# KiCad board uq_phone.kicad_pcb (continued)
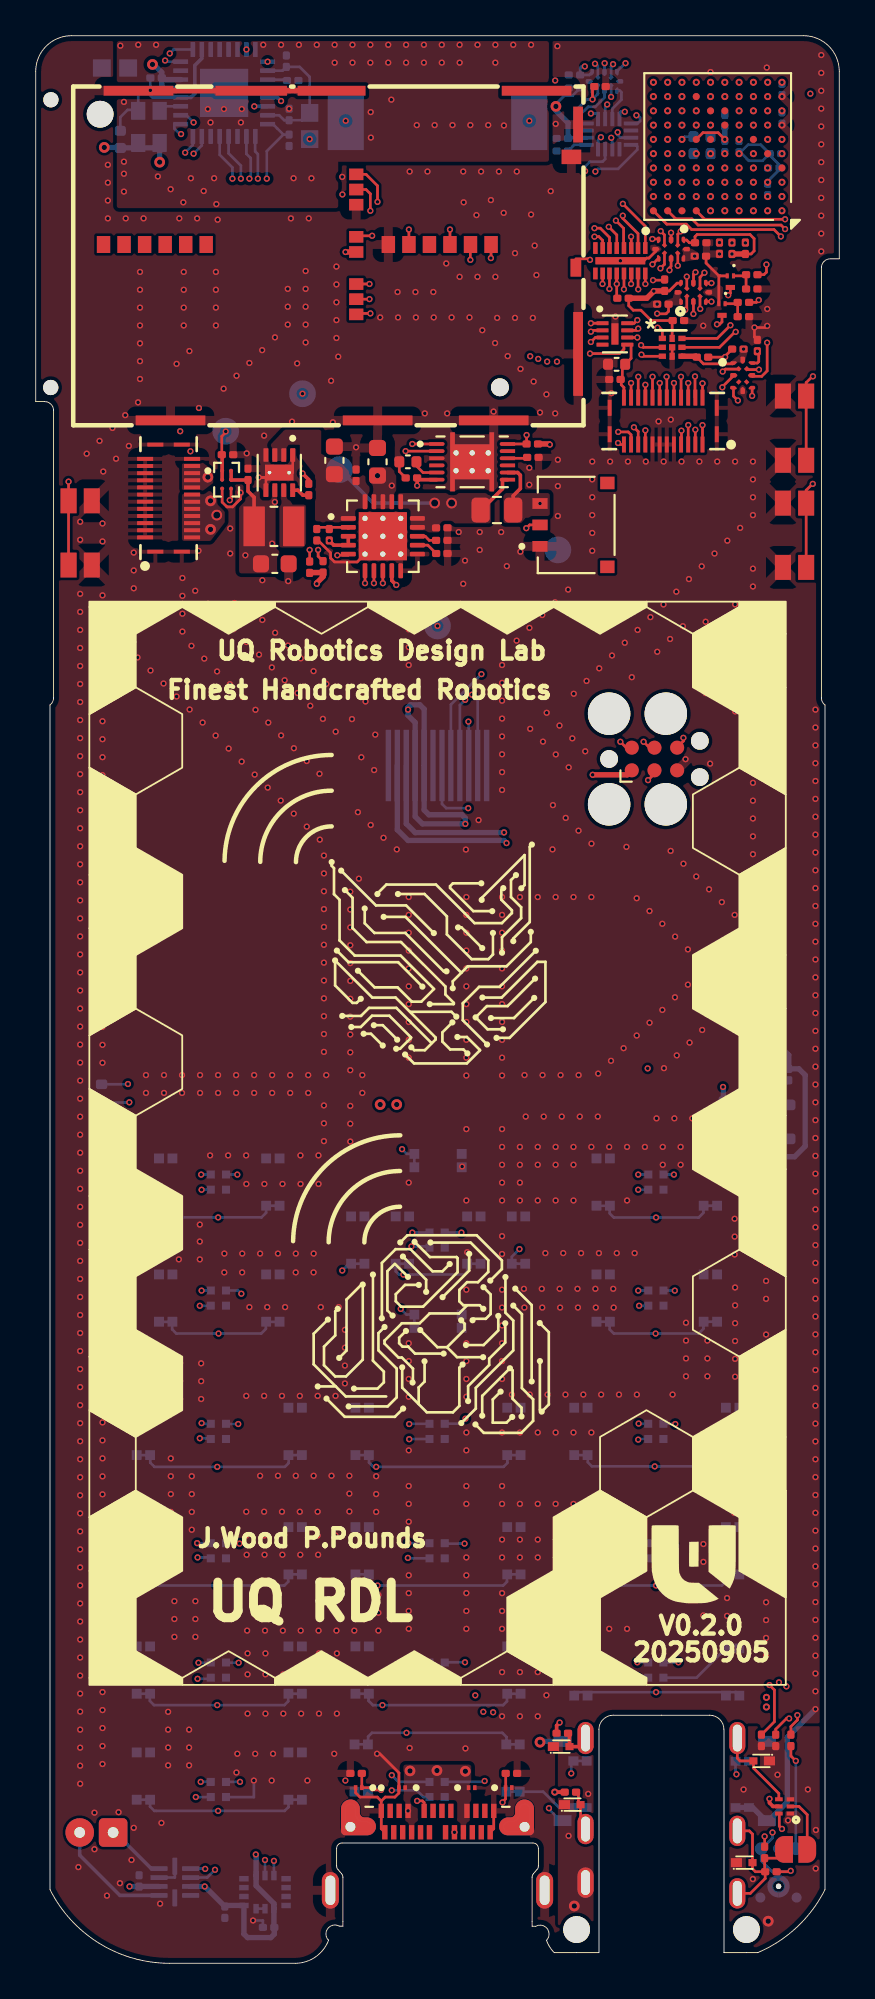
[diagram p0: board, top side]
## Footprints (pads in the part's own frame, mm; a bottom-side part is the same pattern mirrored in y, then rotated) (continued)
  rect 0.95x0.75 smd: 9(0.62,-3.812) 10(0.62,-6.112) 11(0.62,-8.412) 12(0.62,-2.663) 13(0.62,-4.963) 14(0.62,-7.263) 15(0.62,12.137) 16(0.62,9.838) 17(0.62,7.537) 18(0.62,13.287) 19(0.62,10.988) 20(0.62,8.688)
  rect 1x0.6 smd: 21(-0.68,-13.162)
  rect 0.81x1.1 smd: 22(5.53,-12.912)
  rect 0.55x3.9 smd: 23(-9.235,9.537) 23(-9.235,-2.062) 23(-9.235,-8.562) 23(9.235,11.338) 23(9.235,-10.963)
  rect 4.7x0.55 smd: 23(-5.51,-13.287)
  rect 2.01x0.55 smd: 23(7.34,-13.287)
  rect 0.55x4 smd: 23(9.235,5.018)
  rect 0.55x3.8 smd: 23(9.235,0.517)
SKSCLCE010
  rect 1.4x0.9 smd: 1(-1.8,-0.65) 2(1.8,-0.65) 3(-1.8,0.65) 4(1.8,0.65)
SKTAAAE010
  rect 0.55x0.55 smd: 1(-1.3,0.4) 2(1.35,0.4) 3(-1.3,-0.35) 4(1.35,-0.35)
SKTAAAE010#2
  rect 0.495x0.55 smd: 1(-1.272,0.4) 3(-1.272,-0.35)
  rect 0.485x0.55 smd: 2(1.317,0.4) 4(1.317,-0.35)
SKTAAAE010#3
  rect 0.525x0.565 smd: 1(-1.288,0.393)
  rect 0.495x0.55 smd: 2(1.323,0.4) 4(1.323,-0.35)
  rect 0.525x0.55 smd: 3(-1.288,-0.35)
SolderJumper-2_P1.3mm_Open_RoundedPad1.0x1.5mm
  custom 1x1.5 smd: 1(-0.65,0) 2(0.65,0)
SON40P135X330X80-17N
  rect 0.66x0.254 smd: 1(-0.711,1.397) 2(-0.711,0.991) 3(-0.711,0.61) 4(-0.711,0.203) 5(-0.711,-0.203) 6(-0.711,-0.61) 7(-0.711,-0.991) 8(-0.711,-1.397) 9(0.711,-1.397) 10(0.711,-0.991) 11(0.711,-0.61) 12(0.711,-0.203) 13(0.711,0.203) 14(0.711,0.61) 15(0.711,0.991) 16(0.711,1.397)
  rect 0.406x2.794 smd: 17(0,0)
SON40P170X135X80-9N
  rrect 0.68x0.22 smd: 1(-0.695,0.6) 2(-0.695,0.2) 3(-0.695,-0.2) 4(-0.695,-0.6) 5(0.695,-0.6) 6(0.695,-0.2) 7(0.695,0.2) 8(0.695,0.6)
  rect 0.4x1.2 smd: 9(0,0)
SON50P200X200X80-9N
  rrect 0.76x0.28 smd: 1(-0.985,0.75) 2(-0.985,0.25) 3(-0.985,-0.25) 4(-0.985,-0.75) 5(0.985,-0.75) 6(0.985,-0.25) 7(0.985,0.25) 8(0.985,0.75)
  round 0.4 hole 0.2: 9(0,0.55) 9(0,-0.55)
  rect 0.9x1.6 smd: 9(0,0)
SOT-23
  rrect 1.475x0.6 smd: 1(-0.938,0.95) 2(-0.938,-0.95) 3(0.938,0)
Tag-Connect_TC2030-IDC-FP_2x03_P1.27mm_Vertical
  round 2.375 hole 2.375 unplated: (-2.54,2.54) (-2.54,-2.54) (0.635,2.54) (0.635,-2.54)
  round 0.991 hole 0.991 unplated: (-2.54,0) (2.54,1.016) (2.54,-1.016)
  round 0.787 smd: 1(-1.27,-0.635) 2(-1.27,0.635) 3(0,-0.635) 4(0,0.635) 5(1.27,-0.635) 6(1.27,0.635)
TestPoint_Pad_D1.5mm
  round 1.5 smd: 1(0,0)
TFBGA-100_8x8mm_Layout10x10_P0.8mm
  round 0.4 smd: A1(-3.6,3.6) A2(-2.8,3.6) A3(-2,3.6) A4(-1.2,3.6) A5(-0.4,3.6) A6(0.4,3.6) A7(1.2,3.6) A8(2,3.6) A9(2.8,3.6) A10(3.6,3.6) B1(-3.6,2.8) B2(-2.8,2.8) B3(-2,2.8) B4(-1.2,2.8) B5(-0.4,2.8) B6(0.4,2.8) B7(1.2,2.8) B8(2,2.8) B9(2.8,2.8) B10(3.6,2.8) C1(-3.6,2) C2(-2.8,2) C3(-2,2) C4(-1.2,2) C5(-0.4,2) C6(0.4,2) C7(1.2,2) C8(2,2) C9(2.8,2) C10(3.6,2) D1(-3.6,1.2) D2(-2.8,1.2) D3(-2,1.2) D4(-1.2,1.2) D5(-0.4,1.2) D6(0.4,1.2) D7(1.2,1.2) D8(2,1.2) D9(2.8,1.2) D10(3.6,1.2) E1(-3.6,0.4) E2(-2.8,0.4) E3(-2,0.4) E4(-1.2,0.4) E5(-0.4,0.4) E6(0.4,0.4) E7(1.2,0.4) E8(2,0.4) E9(2.8,0.4) E10(3.6,0.4) F1(-3.6,-0.4) F2(-2.8,-0.4) F3(-2,-0.4) F4(-1.2,-0.4) F5(-0.4,-0.4) F6(0.4,-0.4) F7(1.2,-0.4) F8(2,-0.4) F9(2.8,-0.4) F10(3.6,-0.4) G1(-3.6,-1.2) G2(-2.8,-1.2) G3(-2,-1.2) G4(-1.2,-1.2) G5(-0.4,-1.2) G6(0.4,-1.2) G7(1.2,-1.2) G8(2,-1.2) G9(2.8,-1.2) G10(3.6,-1.2) H1(-3.6,-2) H2(-2.8,-2) H3(-2,-2) H4(-1.2,-2) H5(-0.4,-2) H6(0.4,-2) H7(1.2,-2) H8(2,-2) H9(2.8,-2) H10(3.6,-2) J1(-3.6,-2.8) J2(-2.8,-2.8) J3(-2,-2.8) J4(-1.2,-2.8) J5(-0.4,-2.8) J6(0.4,-2.8) J7(1.2,-2.8) J8(2,-2.8) J9(2.8,-2.8) J10(3.6,-2.8) K1(-3.6,-3.6) K2(-2.8,-3.6) K3(-2,-3.6) K4(-1.2,-3.6) K5(-0.4,-3.6) K6(0.4,-3.6) K7(1.2,-3.6) K8(2,-3.6) K9(2.8,-3.6) K10(3.6,-3.6)
unnamed
  round 1.5 hole 1.5 unplated: (0,0)
WBFBP-02C_L1.0-W0.6-BI
  rect 0.62x0.5 smd: 1(-0.45,0)
  rect 0.45x0.4 smd: 2(0.45,0)
XL-1010RGBC-Alt
  rect 1x0.61 smd: 1(-4.57,1.24) 2(6.87,1.24) 3(-4.57,-3.2) 4(6.87,-3.2)
XL-1010RGBC-WS2812B
  rect 0.45x0.45 smd: 1(-0.4,0.45) 2(0.45,0.45) 3(-0.4,-0.4) 4(0.45,-0.4)

## Nets
+1.8V: C28.1 C38.1 C41.1 C42.1 C46.1 C50.1 C55.1 C57.1 C59.1 J7.20 J7.21 J7.22 J7.23 OSC1.1 OSC1.4 U5.1 U5.5 U9.5 U13.14 U14.13 U14.14 U17.11 U17.12 U18.1 U18.12 U19.11 U19.12 U20.1 U20.12
+3.3V: C2.1 C14.1 C15.2 C16.2 C17.2 C18.2 C19.2 C21.2 C29.1 C30.1 C34.1 C35.1 C51.1 C54.1 C56.1 C58.1 C60.1 DISP1.8 DISP1.9 FB2.1 J6.1 J8.4 L1.2 R1.2 R4.2 R6.2 R22.2 R23.2 R24.2 R25.2 TP2.1 U1.6 U5.8 U6.B2 U6.D2 U6.F4 U6.F5 U6.F7 U6.H1 U6.K1 U11.5 U11.8 U11.12 U12.3 U12.7 U15.A2 U15.B2 U17.1 U18.11 U19.1 U20.11
+3.3V_SW: C31.1 DISP1.10 LED1.2 LED2.2 LED3.2 LED4.2 LED5.2 LED6.2 LED7.2 LED8.2 LED9.2 LED10.2 LED11.2 LED12.2 LED13.2 LED14.2 LED15.2 LED16.2 LED17.2 R21.2 TP5.1 U15.A1 U15.B1
AGND: C37.1 C39.2 C40.2 C43.2 C44.2 C45.2 D8.1 D9.1 D10.1 D11.1 FB1.2 J1.1 MK1.2 MK1.3 MK1.5 MK1.6_1 MK1.6_2 U9.1 U9.3 U14.24 U14.28 U14.33
GND: C1.1 C2.2 C3.2 C4.2 C5.2 C6.2 C7.2 C14.2 C15.1 C16.1 C17.1 C18.1 C19.1 C20.1 C21.1 C25.2 C26.2 C28.2 C29.2 C30.2 C31.2 C32.2 C33.2 C34.2 C35.2 C38.2 C41.2 C42.2 C46.2 C50.2 C51.2 C54.2 C55.2 C56.2 C57.2 C58.2 C59.2 C60.2 D4.2 D5.2 D6.2 D7.2 DISP1.1 DISP1.12 FB1.1 J2.A1 J2.A12 J2.B1 J2.B12 J2.SH1 J2.SH2 J2.SH3 J2.SH4 J3.1 J6.5 J7.1 J7.2 J7.3 J7.4 J7.5 J7.6 J7.7 J7.8 J7.9 J7.10 J7.11 J7.12 J7.24 J7.P1 J7.P2 J7.P3 J7.P4 J8.6 J8.12 J8.22 J8.23 J9.5 J9.6 J9.7 J9.8 J9.P1 J9.P2 J9.P3 J9.P4 LED1.3 LED2.3 LED3.3 LED4.3 LED5.3 LED6.3 LED7.3 LED8.3 LED9.3 LED10.3 LED11.3 LED12.3 LED13.3 LED14.3 LED15.3 LED16.3 LED17.3 OSC1.2 Q1.2 Q2.2 Q3.2 R2.1 R3.1 R7.1 R8.1 R10.2 R11.1 R18.1 R19.1 R20.1 R28.1 R33.1 SW1.2 SW1.4 SW2.2 SW2.4 SW3.2 SW3.4 SW4.2 SW4.4 SW5.2 SW5.4 SW6.3 SW6.4 SW7.2 SW7.4 SW8.2 SW8.4 SW9.2 SW9.4 SW10.2 SW10.4 SW11.2 SW11.4 SW12.2 SW12.4 SW13.2 SW13.4 SW14.2 SW14.4 SW15.2 SW15.4 SW16.3 SW16.4 SW17.2 SW17.4 SW18.2 SW18.4 SW19.2 SW19.4 SW20.2 SW20.4 SW21.2 SW21.4 SW22.3 SW22.4 SW23.2 SW23.4 SW24.2 SW24.4 SW25.2 SW25.4 SW26.2 SW26.4 SW27.2 SW27.4 SW28.2 SW28.4 SW29.2 SW29.4 SW30.2 SW30.4 SW31.2 SW31.4 SW32.2 SW32.4 SW33.2 SW33.4 SW34.2 SW34.4 SW35.2 SW35.4 SW36.2 SW36.4 SW37.2 SW37.4 SW38.2 SW38.4 SW39.2 SW39.4 SW40.2 SW40.4 SW41.2 SW41.4 TP6.1 U1.1 U1.4 U1.5 U1.9 U2.10 U2.11 U2.21 U3.3 U3.13 U5.4 U5.9 U6.C2 U6.E4 U6.E5 U6.E6 U6.G1 U6.J1 U8.9 U10.17 U11.1 U11.2 U11.3 U11.6 U11.7 U12.5 U12.8 U12.10 U13.6 U14.12 U14.18 U15.C1 U17.6 U18.6 U19.6 U20.6
VBAT: C7.1 J7.13 J7.14 J7.15 J7.16 J7.17 J7.18 J7.19 R9.2 TP3.1 U2.14 U2.15 U2.16 U3.7
AUD_BCLK: U13.5 U14.8
AUD_IN: U13.7 U14.9
AUD_OUT: U13.10 U14.10
AUD_SCL: U5.2 U14.16
AUD_SDA: U5.3 U14.17
AUD_SW_H: U6.K10 U19.2
AUD_SW_L: R28.2 U13.15 U19.10
AUD_SYNC: U13.2 U14.7
BAT_THERM: J3.2 U2.5
DISP_BL: R26.2 U6.J3
DISP_CS: DISP1.2 U6.J8
DISP_DC: DISP1.3 U6.H8
DISP_LEDK: DISP1.11 R27.2
DISP_RESET: DISP1.6 U6.G8
DISP_SCL: DISP1.4 U6.J6
DISP_SDA: DISP1.5 U6.G7
FUEL_GPO: R6.1 U3.12 U6.G9
HP_DET: U9.6 U20.5
HP_DET_MCU: U6.J10 U20.7
HP_LEFT: C48.1 U14.30
HP_LEFT_DET: D8.2 J1.4 U9.4
HP_MIC: C47.1 U14.4
HP_MIC_GND: C45.1 U14.5
HP_RIGHT: C49.1 U14.29
LED_DATA: R42.2 U6.K2
MCP_OUT: C1.2 C4.1 U1.2 U1.3 U2.1 U2.20
MCP_PG: U2.6 U6.G10
MCP_STAT1: R24.1 U2.8 U6.H10
MCP_STAT2: R23.1 U2.7 U6.H9
MCU_AUD_BCLK_H: U6.H3 U19.5
MCU_AUD_BCLK_L: U13.3 U19.7
MCU_AUD_OUT_L: U13.12 U19.8
MCU_AUD_OUT_L_H: U6.K3 U19.4
MCU_AUD_SYNC_H: U6.G3 U19.3
MCU_AUD_SYNC_L: U13.16 U19.9
MCU_CTS: U6.C10 U17.4
MCU_DCD: U6.C7 U18.8
MCU_DSR: U6.D9 U18.9
MCU_DTR: U6.D8 U18.7
MCU_RI: U6.F10 U18.10
MCU_RTS: U6.B10 U17.3
MCU_RXD: U6.D10 U17.5
MCU_TXD: U6.C9 U17.2
MIC_BIAS: C44.1 MK1.4 R36.2 U14.32
MIC_GND: C37.2 U14.2
MIC_OUT: C36.2 U14.1
MIC_PIN: C47.2 D11.2 J1.5 J1.6 JP1.1 R36.1
MOB_AUD_BCLK: J9.9 U13.4
MOB_AUD_IN: J9.10 U13.8
MOB_AUD_OUT: J9.11 U13.11
MOB_AUD_SYNC: J9.12 U13.1
MOB_CTS: J9.18 U17.8
MOB_DCD: J9.14 U18.4
MOB_DSR: J9.15 U18.3
MOB_DTR: J9.13 U18.5
MOB_PWR: J9.1 Q1.3
MOB_PWR_CTL: R16.2 U6.A2
MOB_RI: J9.20 U18.2
MOB_RST: J9.2 Q2.3
MOB_RST_CTL: R17.2 U6.A1
MOB_RTS: J9.17 U17.9
MOB_RXD: J9.19 U17.7
MOB_SAFE_PWR_REMOVE_H: U6.J9 U20.9
MOB_SAFE_PWR_REMOVE_L: J9.3 U20.3
MOB_TXD: J9.16 U17.10
MOB_WAKE_H: U6.K9 U20.10
MOB_WAKE_L: J9.4 U20.2
PB_0: SW34.1 SW34.3 SW39.1 SW39.3 U6.A3
PB_1: SW24.1 SW24.3 SW28.1 SW28.3 U6.C3
PB_2: SW25.1 SW25.3 SW29.1 SW29.3 U6.A5
PB_3: SW26.1 SW26.3 SW30.1 SW30.3 U6.A6
PB_4: SW12.1 SW12.3 SW18.1 SW18.3 U6.C1
PB_5: SW13.1 SW13.3 SW19.1 SW19.3 U6.C5
PB_6: SW14.1 SW14.3 SW20.1 SW20.3 U6.B6
PB_7: SW1.1 SW1.3 SW7.1 SW7.3 U6.D3
PB_8: SW2.1 SW2.3 SW8.1 SW8.3 U6.C4
PB_9: SW3.1 SW3.3 SW9.1 SW9.3 U6.B5
PB_CALL: SW36.1 SW36.3 SW41.1 SW41.3 U6.B1
PB_DPAD_DOWN: SW17.1 SW17.3 U6.B3
PB_DPAD_LEFT: SW37.1 SW37.3 U6.G4
PB_DPAD_RIGHT: SW32.1 SW32.3 U6.C6
PB_DPAD_SELECT: SW5.1 SW5.3 SW11.1 SW11.3 U6.F1
PB_DPAD_UP: SW23.1 SW23.3 U6.F2
PB_END_CALL: SW15.1 SW15.3 SW21.1 SW21.3 U6.D6
PB_HASH: SW35.1 SW35.3 SW40.1 SW40.3 U6.D4
PB_MENU_L: SW27.1 SW27.3 SW31.1 SW31.3 U6.G2
PB_MENU_R: SW4.1 SW4.3 SW10.1 SW10.3 U6.D7
PB_PWR: SW22.1 SW22.2 U6.K8
PB_STAR: SW33.1 SW33.3 SW38.1 SW38.3 U6.E3
PB_VOL_DOWN: SW16.1 SW16.2 U6.H2
PB_VOL_UP: SW6.1 SW6.2 U6.J2
POWER_SW: U6.E8 U15.C2
RST: C20.2 J6.3 U6.E1
SCL: R22.1 U3.2 U5.7 U6.B4 U11.13
SDA: R4.1 U3.1 U5.6 U6.A4 U11.14
SIM_CLK: J9.22 U8.7
SIM_DATA: J9.23 U8.6
SIM_RST: J9.21 U8.8
SIM_VDD: C32.1 C33.1 J8.9 J9.24 U8.5
SPEAKER_N: SP1.- U14.25
SPEAKER_P: SP1.+ U14.23
SWCLK: J6.4 U6.A9
SWDIO: J6.2 U6.A10
SWO: J6.6 U6.A7
uSD_CLK: U6.C8 U10.4
uSD_CMD: U6.B7 U10.3
uSD_DAT0: U6.F9 U10.6
uSD_DAT1: U6.E9 U10.7
uSD_DAT2: U6.B9 U10.1
uSD_DAT3: U6.B8 U10.2
uSD_DET: U6.E10 U10.5
uSD_SIM_CD: J8.21 R25.1 U10.12
VIB_EN: U6.K5 U12.1
VIB_PWM: U6.K4 U12.2
VUSB: C3.1 D4.1 D5.1 J2.A4 J2.A9 J2.B4 J2.B9 R5.2 TP1.1 U2.3 U2.4 U2.9 U2.17 U2.18 U2.19
Net-(C25-Pad1): C25.1 U6.E7
Net-(C26-Pad1): C26.1 U6.F8
Net-(C48-Pad2): C48.2 D9.2 J1.3
Net-(C49-Pad2): C49.2 D10.2 J1.2
Net-(J2-CC1): D7.1 J2.A5 R2.2
Net-(J2-CC2): D6.1 J2.B5 R3.2
Net-(J8A-CD/DAT3): J8.2 U10.15
Net-(J8A-CLK): J8.5 U10.13
Net-(J8A-CMD): J8.3 U10.14
Net-(J8A-DAT0): J8.7 U10.11
Net-(J8A-DAT1): J8.8 U10.10
Net-(J8A-DAT2): J8.1 U10.16
Net-(J8B-SIM_1_CLK): J8.11 U8.2
Net-(J8B-SIM_1_DATA): J8.14 U8.3
Net-(J8B-SIM_1_RST): J8.10 U8.1
Net-(JP1-B): JP1.2 U9.2
Net-(LED1-DI): LED1.4 LED5.1
Net-(LED1-DO): LED1.1 LED2.4
Net-(LED3-DI): LED3.4 LED8.1
Net-(LED3-DO): LED3.1 LED4.4
Net-(LED4-DO): LED4.1 LED5.4
Net-(LED6-DO): LED6.1 LED7.4
Net-(LED7-DO): LED7.1 LED8.4
Net-(LED10-DI): LED9.1 LED10.4
Net-(LED10-DO): LED10.1 LED11.4
Net-(LED11-DO): LED6.4 LED11.1
Net-(LED12-DI): LED12.4 LED17.1
Net-(LED12-DO): LED12.1 LED13.4
Net-(LED13-DO): LED13.1 LED14.4
Net-(LED14-DO): LED9.4 LED14.1
Net-(LED15-DI): LED15.4 R42.1
Net-(LED15-DO): LED15.1 LED16.4
Net-(LED16-DO): LED16.1 LED17.4
Net-(M1-+): M1.1 U12.9
Net-(M1--): M1.2 U12.6
Net-(MK1-OUTPUT): C36.1 MK1.1
Net-(OSC1-OUT): OSC1.3 U14.11
Net-(Q1-Pad1): Q1.1 R16.1 R18.2
Net-(Q2-Pad1): Q2.1 R17.1 R19.2
Net-(Q3-Pad1): Q3.1 R21.1 R26.1
Net-(Q3-Pad3): Q3.3 R27.1
Net-(U1-PG): R1.1 U1.8
Net-(U1-SW): L1.1 U1.7
Net-(U2-PROG1): R10.1 U2.13
Net-(U2-PROG3): R11.2 U2.12
Net-(U2-VPCC): R5.1 R7.2 U2.2
Net-(U3-BAT): C6.1 J3.3 R9.1 U3.6 U3.8
Net-(U3-BIN): R8.2 U3.10
Net-(U3-VDD): C5.1 U3.5
Net-(U6-BOOT0): R20.2 U6.D5
Net-(U13-~{EN}): R33.2 U13.13
Net-(U14-VDDA): C39.1 C40.1 FB2.2 U14.26 U14.31
Net-(U14-VREF): C43.1 U14.27

Pads without a net: DISP1 7; J2 A2 A3 A6 A7 A8 A10 A11 B2 B3 B6 B7 B8 B10 B11; J3 S1 S2; J8 13 15 16 17 18 19 20; LED2 1; U3 4 9 11; U6 A8 D1 E2 F3 F6 G5 G6 H4 H5 H6 H7 J4 J5 J7 K6 K7; U8 4; U10 8 9; U11 4 9 10 11; U12 4; U13 9; U14 3 6 15 19 20 21 22; U20 4 8

## Via types
v1: diameter 0.35, hole 0.2, Top to Bottom, 1432 vias
v2: diameter 0.6, hole 0.4, Top to Bottom, 3 vias
v3: diameter 0.6, hole 0.3, Top to Bottom, 17 vias
v4: diameter 0.4, hole 0.2, Top to Bottom, 3 vias

## Routing (per net, layer and track width the routed paths; a pad name or vN(x,y) marks a point on that pad's centre or on a via; arc(x,y) is an arc through that point)
+1.8V: length 215.6
  Top w0.15: v1(34.8,92.43) 34.81,92.42 35.3,92.42 35.44,92.56 C55.1 ; U20.1 39.03,89.61 37.4,89.61 C50.1 ; v1(34.82,91.64) 34.94,91.64 35.09,91.49 U5.1
  Top w0.2: U9.5 41.29,8.79 41.09,8.99 v1(41.09,9.21)
  Top w0.3: C50.1 36.97,90.04 U5.5
  In1.Cu w0.3: v3(6.94,100.91) 9.64,98.21 v3(9.64,83.26) ; 6.12,106.39 v3(6.54,106.39) 6.09,106.39 5.79,106.09 5.79,103.69 v3(3.84,101.74)
  In2.Cu w0.3: v3(40.04,58.34) 40.04,57.24 43.12,54.16 43.12,12.97 40.94,10.79 40.94,9.36 v1(41.09,9.21)
  In3.Cu w0.3: v3(9.64,83.26) 7.52,81.14 7.52,74.09 20.62,60.99 34.46,60.99 37.16,58.29 39.99,58.29 v3(40.04,58.34)
  In4.Cu w0.3: v3(6.54,106.39) 7.67,105.26 27.91,105.26 29.01,104.17 29.01,104.16 v3(29.13,104.04) ; 39.24,90.44 39.64,90.84 39.65,90.84 ; 39.24,90.44 38.9,90.44 38.34,91 35.46,91 v1(34.82,91.64) 34.82,92.41 v1(34.8,92.43) ; 39.24,90.44 39.64,90.04 39.64,90.03 ; 39.24,90.44 v1(39.64,90.44) ; v3(40.04,58.34) 40.13,58.34 40.81,59.03 40.81,87.9 39.64,89.07 39.64,90.03 ; 39.64,90.03 v1(39.64,90.44) ; 39.65,90.84 39.65,93.6 37.6,95.65 v1(36.9,95.65) ; 39.65,90.84 39.65,90.45 v1(39.64,90.44)
  Bottom w0.15: C57.1 30.06,104.64 29.6,104.64 29.13,104.17 v3(29.13,104.04)
  Bottom w0.2: 29.86,102.28 30.85,102.28 ; C38.1 29.81,102.28
  Bottom w0.3: 5.84,101.99 5.74,102.09 ; v3(6.94,100.91) OSC1.4 6.67,101.72 4.75,101.72 C46.1 4.71,101.74 v3(3.84,101.74) ; C38.1 29.86,102.28 29.81,102.33 29.81,103.12 29.13,103.8 v3(29.13,104.04) ; C41.1 7.16,105.54 U14.14 ; C41.1 C42.1 7.16,105.04 U14.13 ; C41.1 7.06,105.94 6.62,106.39 v3(6.54,106.39) ; 6.73,101.88 6.84,101.99
+3.3V: length 237.9
  Top w0.15: R25.2 33.21,92.87 33.46,92.62 33.89,92.62 34.47,92.04 C51.1 35.64,92.01 U5.8 ; C56.1 35.48,93.7 35.92,94.13 U18.11 ; U17.1 36.28,96.55 36.45,96.55 36.6,96.4 C54.1 36.92,96.74 37.04,96.86 40,96.86 40.23,96.63 40.23,95.94 40.06,95.77 R4.2 39.74,95.79 ; U20.11 40.41,89.66 40.49,89.74 40.49,90.24 v1(40.41,90.32) ; U6.F7 37.37,102.57 38.21,102.57 v1(38.59,102.19)
  Top w0.2: R1.2 15.29,83.12 v1(14.94,83.47) ; L1.2 12.23,82.13 11.89,82.47 11.89,83.1 10.96,83.1 U15.B2 U15.A2
  Top w0.3: R4.2 v1(38.99,95.77) ; R24.2 15.36,77.92 R23.2 16.09,77.69 15.74,77.34 v1(15.74,77.29) ; v1(17.35,95.88) J8.4 ; C56.1 34.63,93.7 34.22,93.29 R25.2 ; R6.2 28.75,85.12 v1(28.79,85.09) ; v1(31.19,66.59) 33.13,66.59 J6.1
  In1.Cu w0.15: v1(40.41,90.32) 39.61,91.12 39.61,95.15 v1(38.99,95.77)
  In1.Cu w0.3: 9.48,4.29 9.47,4.3 v1(9.47,4.3) v1(5.26,4.3) ; v1(38.99,95.77) 38.99,95.43 38.6,95.04 38.6,94.26 38.03,93.69 v1(34.62,93.69) 34.62,93.66 32.74,91.79 32.74,89.49 28.79,85.54 28.79,85.09 v1(28.79,85.09) ; v1(24.62,15.01) 24.69,15.01 25.04,15.36 25.04,62.47 24.06,63.44 v1(24.06,63.84)
  In2.Cu w0.15: v1(30.75,106.28) 32.02,105.01 36.57,105.01 38.59,102.99 v1(38.59,102.19)
  In2.Cu w0.3: 15.34,102.19 15.36,102.19 16.22,101.33 16.22,96.31 16.64,95.89 ; v1(13.24,79.54) 13.49,79.54 16.26,76.77 25.7,76.77 28.79,79.87 28.79,79.87 v1(28.79,85.09) 28.79,85.09 ; 16.64,95.89 16.22,95.46 16.22,90.41 14.94,89.14 v1(14.94,87.94) 14.94,83.14 14.69,82.89 13.94,82.89 13.39,82.34 v1(13.39,81.87) ; 16.64,95.89 17.34,95.89 v1(17.35,95.88) ; v1(11.74,78.89) 11.74,75.33 16.83,70.24 27.54,70.24 v1(31.19,66.59) ; v1(12.33,6.1) 12.33,6.63 20.72,15.01 v1(24.62,15.01)
  Bottom w0.15: U19.1 31.01,105.8 C58.1 30.49,106.19 30.58,106.28 v1(30.75,106.28) ; C19.2 41.66,103.71 ; 38.67,102.19 C18.2
  Bottom w0.3: v1(12.33,6.1) 12.34,6.08 U11.12 12.34,4.35 13.34,3.35 U11.5 13.34,2.03 C35.1 13.36,1.63 13.17,1.44 11.87,1.44 11.66,1.65 U11.8 10.65,3.24 C34.1 9.47,4.3 U12.3 ; C14.1 C18.2 ; v1(15.34,102.2) 15.34,102.19 ; v1(5.26,4.3) U12.7 ; DISP1.8 21.75,64.62 22.02,64.35 23.87,64.35 24.06,64.16 v1(24.06,63.84) 21.66,63.84 21.25,64.25 DISP1.9 21.25,69.52 20.85,69.92 v1(20.85,70.24) 20.85,70.37 20.99,70.51 21.51,70.51 21.75,70.27 DISP1.8
  vias: v1(39.39,102.19) v1(40.99,100.59) v1(40.99,98.99) v1(41.79,105.39) v1(41.79,103.79)
+3.3V_SW: length 306
  Top w0.15: v1(10.64,85.82) 10.64,85.77 10.42,85.55 C31.1
  Top w0.2: U15.B1 10.44,84.45
  In1.Cu w0.3: v1(9.29,30.26) 8.17,29.14 8.17,24.06 8.69,23.54 v1(9.04,23.54) ; v1(9.29,37.69) 8.97,37.69 8.59,38.06 8.59,43.51 v1(9.27,44.19) ; v1(19.94,10.54) 19.94,10.89 19.64,11.19 10.27,11.19 v1(9.24,10.16) 8.69,10.16 7.97,10.89 7.97,15.69 v1(9.12,16.84) ; v1(40.19,51.89) 40.19,56.5 35.3,61.39 28.65,61.39 26.68,63.36 v1(26.23,63.36)
  In2.Cu w0.15: 33.82,30.24 v1(33.77,30.24)
  In2.Cu w0.3: 20.92,30.64 21.37,31.09 33.29,31.09 33.77,30.61 ; 20.92,30.64 v1(20.92,30.21) ; 20.92,30.64 20.47,31.09 10.12,31.09 v1(9.29,30.26) ; v1(33.79,23.54) 33.79,23.94 ; 33.79,23.94 33.07,24.66 21.49,24.66 20.88,24.05 ; 33.79,23.94 34.47,24.61 37.24,24.61 38.07,23.79 38.07,19.19 36.84,17.96 34.34,17.96 33.69,17.31 ; 33.77,30.61 34.24,31.09 35.82,31.09 37.02,32.29 37.02,38.09 36.3,38.81 34.46,38.81 33.74,38.09 ; 33.77,30.61 v1(33.77,30.24) ; 33.69,17.31 33.04,17.96 21.32,17.96 20.79,17.44 ; 33.69,17.31 v1(33.69,16.86) ; v1(26.23,63.36) 26.2,63.39 23.12,63.39 8.01,78.5 8.01,84.83 9,85.82 v1(10.64,85.82) ; v1(9.12,16.84) 10.24,17.96 20.27,17.96 20.79,17.44 ; 33.74,38.09 33.02,38.81 22.61,38.81 21.85,38.05 9.65,38.05 v1(9.29,37.69) ; 33.74,38.09 v1(33.74,37.69) ; 20.79,17.44 v1(20.79,16.86) ; v1(39.07,45.19) 34.32,45.19 33.74,44.61 ; v1(20.87,23.54) 20.87,24.04 20.88,24.05 ; 20.88,24.05 20.27,24.66 10.17,24.66 v1(9.04,23.54) ; 21.09,41.21 v1(21.09,40.94) ; 21.09,41.21 21.28,41.4 21.28,41.4 25.07,45.19 33.16,45.19 33.74,44.61 ; 21.09,41.21 17.66,44.64 9.72,44.64 v1(9.27,44.19) ; v1(33.74,44.19) 33.74,44.61 ; v1(19.94,10.54) 19.94,10.84 20.52,11.41 27.24,11.41 28.29,12.46
  Bottom w0.15: LED13.2 34.3,37.69 v1(33.74,37.69) ; v1(20.87,23.54) LED6.2 ; LED9.2 20.93,30.23 v1(20.92,30.21) ; LED8.2 9.79,16.84 v1(9.12,16.84) ; v1(9.04,23.54) LED11.2 ; v1(20.79,16.86) 22.04,16.86 LED3.2 ; v1(9.29,37.69) 9.3,37.7 LED12.2 ; LED7.2 34.3,23.54 v1(33.79,23.54) ; v1(21.09,40.94) 21.1,40.95 LED16.2 ; v1(9.29,30.26) 9.33,30.23 LED14.2 ; v1(9.24,10.16) 9.24,10.16 LED5.2 ; v1(33.74,44.19) 33.75,44.2 LED17.2 ; LED15.2 9.27,44.2 v1(9.27,44.19) ; LED1.2 20.32,10.16 v1(19.94,10.54) ; v1(33.69,16.86) 34.29,16.86 LED4.2 ; v1(33.77,30.24) 33.78,30.23 LED10.2
  Bottom w0.3: DISP1.10 20.75,63.85 21.25,63.35 26.16,63.35 26.17,63.36 v1(26.23,63.36) ; LED2.2 28.29,12.44 v3(28.24,12.39) ; v1(40.19,51.89) 40.62,51.46 41.6,51.46 42.17,50.88 R21.2 42.74,50.11 43.09,49.76 43.09,45.78 42.5,45.19 39.72,45.19 v1(39.07,45.19)
AGND:
  vias: v1(4.74,107.44) v1(4.94,104.29) v1(4.94,100.94) v1(4.94,100.26) v1(4.94,99.26) v1(5.74,107.49) v1(6.74,107.49) v1(6.84,100.11) v1(7.56,99.4) v1(8.27,98.66) v1(8.69,100.01) v1(9.41,99.3) v1(9.64,103.89) v1(9.79,103.14) v1(9.99,100.01) v1(10.12,98.56) v1(10.54,103.89) v1(11.54,103.89) v1(11.49,103.14) v1(12.74,107.49) v1(13.74,107.49) v1(14.19,103.9) v1(14.44,100.01) v1(14.74,107.49) v1(15.44,100.01) v1(15.74,107.49) v1(16.74,107.49) v1(16.74,106.49) v1(17.74,107.49) v1(17.74,106.49) v1(18.74,107.49) v1(18.74,106.49) v1(18.76,103.72) v1(18.77,102.29) v1(19.74,107.49) v1(19.74,106.49) v1(19.92,104.41) v1(20.74,107.49) v1(20.74,106.49) v1(21.34,102.99) v1(21.74,107.49) v1(21.74,106.49) v1(22.34,102.99) v1(22.74,107.49) v1(22.74,106.49) v1(23.34,102.99) v1(23.74,107.49) v1(23.74,106.49) v1(24.34,102.99) v1(24.74,107.49) v1(25.34,102.99) v1(25.74,107.49) v1(25.74,106.49) v1(26.22,102.97) v1(26.74,107.49) v1(27.74,107.49) v1(29.84,7.14) v1(30.94,9.49) v1(39.64,9.74) v1(40.16,4.72) v1(41.54,10.56) v1(42.13,8.01) v1(43.24,9.74) v1(43.68,5.31) v1(43.69,7.47) v3(19.29,48.11) v3(20.22,48.11) v3(30.16,3.21) v3(41.02,2.36)
GND: length 81.3
  Top w0.15: R7.1 15.82,79.72 16.51,79.02 16.51,78.73 16.73,78.51 18,78.51 U2.21 ; U1.9 13.09,83.25 v1(12.49,83.25) 12.89,83.25 U1.5 ; C56.2 35.18,94.3 v1(34.57,94.3) ; C59.2 38.61,90.05 v1(38.61,90) 38.6,89.99 C50.2 ; J2.B12 19.35,7.54 J2.A1 19.35,9.09 ; J2.A12 25.65,7.54 J2.B1 ; 38.26,94.54 Q1.2 ; 38.26,94.54 37.54,95.26 C28.2 ; 38.26,94.54 Q2.2 ; 19.35,9.09 19.57,9.31 20.11,9.31 20.34,9.54 20.34,9.64 ; 19.35,9.09 19.13,9.31 18.16,9.31 17.92,9.55 D7.2 ; U5.9 U5.4 ; U1.1 14.39,83.52 U1.9 ; v1(11.47,82.4) 11.47,82.04 11.02,81.6 10.71,81.6 10.44,81.87 U15.C1 ; C6.2 20.36,83.58 C5.2 ; v1(40.97,91.74) 40.88,91.65 v1(40.25,91.65) 40.25,91.12 C60.2 ; 20.34,9.64 D4.2 ; 20.34,9.64 20.34,10.67 19.27,11.74 v1(19.12,11.74) ; U17.6 34.71,95.91 34.34,95.54 34.21,95.54 34.06,95.39 v1(32.74,95.39)
  Top w0.3: J8.23 12.5,104.92 12.43,104.99 12.05,104.99 11.98,104.92 J8.23
  Bottom w0.15: 8.4,104.54 U14.12 6.54,104.54 6.42,104.66 v1(6.42,104.94) ; 9.29,107.22 U14.18 ; v1(6.42,104.94) 5.99,104.94 5.74,104.69 OSC1.2 5.69,103.84 5.14,103.84 4.74,103.44 4.74,102.84 ; v1(6.42,104.94) C41.2 ; SW7.4 37.01,16 LED4.3 ; C20.1 41.1,101.3 41.66,100.75 C16.1 41.66,100.5 40.99,99.84 v1(40.99,99.79) ; C20.1 40.6,101.89 39.89,101.89 v1(39.39,101.39) ; C20.1 40.7,100.99 39.94,100.99 39.46,101.47 C15.1 ; v1(12.17,2.4) 12.72,2.4 C35.2 ; SW33.4 29.3,8.73 28.42,9.61 SW39.2 ; 40.94,8.19 LED2.3 ; U12.8 7.79,4.8 U12.10 ; v1(12.22,10.24) 12.22,9.31 12.21,9.31 LED5.3 ; U11.7 U11.6
  Bottom w0.2: U14.18 9.3,106.72 8.91,106.33 8.91,104.76 8.69,104.54 U14.12
  Bottom w0.3: v1(43.67,14.24) 42.09,12.66 42.09,9.04 41.05,8 LED2.3 40.88,8 40.15,8.73 SW38.2
  vias: v1(2.39,5.39) v1(2.49,80.77) v1(2.49,79.76) v1(2.49,76.73) v1(2.49,75.72) v1(2.49,74.71) v1(2.49,73.7) v1(2.49,72.69) v1(2.49,71.68) v1(2.49,70.67) v1(2.49,69.66) v1(2.49,68.65) v1(2.49,67.64) v1(2.49,66.63) v1(2.49,65.62) v1(2.49,64.61) v1(2.49,63.6) v1(2.49,62.59) v1(2.49,61.58) v1(2.49,60.57) v1(2.49,59.56) v1(2.49,58.55) v1(2.49,57.54) v1(2.49,56.53) v1(2.49,55.51) v1(2.49,54.5) v1(2.49,53.49) v1(2.49,52.48) v1(2.49,51.47) v1(2.49,50.46) v1(2.49,49.45) v1(2.49,48.44) v1(2.49,47.43) v1(2.49,46.42) v1(2.49,45.41) v1(2.49,44.4) v1(2.49,43.39) v1(2.49,42.38) v1(2.49,41.37) v1(2.49,40.36) v1(2.49,39.35) v1(2.49,38.34) v1(2.49,37.33) v1(2.49,36.32) v1(2.49,35.31) v1(2.49,34.3) v1(2.49,33.29) v1(2.49,32.28) v1(2.49,31.27) v1(2.49,30.26) v1(2.49,29.25) v1(2.49,28.24) v1(2.49,27.23) v1(2.49,26.22) v1(2.49,25.21) v1(2.49,24.2) v1(2.49,23.19) v1(2.49,22.18) v1(2.49,21.17) v1(2.49,20.16) v1(2.49,19.15) v1(2.49,18.14) v1(2.49,17.13) v1(2.49,16.12) v1(2.49,15.11) v1(2.49,14.1) v1(2.49,13.09) v1(2.49,12.08) v1(2.49,11.07) v1(2.49,10.06) v1(2.86,84.58) v1(3.29,8.44) v1(3.29,6.39) v1(3.57,85.3) v1(3.78,83.58) v1(3.74,80.67) v1(3.74,79.66) v1(3.74,76.64) v1(3.74,75.64) v1(3.74,74.63) v1(3.74,73.62) v1(3.74,72.61) v1(3.74,71.61) v1(3.74,70.6) v1(3.74,69.59) v1(3.74,68.58) v1(3.74,67.58) v1(3.74,66.57) v1(3.74,65.56) v1(3.74,64.55) v1(3.74,63.55) v1(3.74,62.54) v1(3.74,61.53) v1(3.74,60.53) v1(3.74,59.52) v1(3.74,58.51) v1(3.74,57.5) v1(3.74,56.5) v1(3.74,55.49) v1(3.74,54.48) v1(3.74,53.47) v1(3.74,52.47) v1(3.74,51.46) v1(3.74,50.45) v1(3.74,47.43) v1(3.74,46.42) v1(3.74,45.42) v1(3.74,44.41) v1(3.74,43.4) v1(3.74,42.39) v1(3.74,41.39) v1(3.74,40.38) v1(3.74,39.37) v1(3.74,38.36) v1(3.74,37.36) v1(3.74,36.35) v1(3.74,35.34) v1(3.74,34.33) v1(3.74,33.33) v1(3.74,32.32) v1(3.74,31.31) v1(3.74,30.31) v1(3.74,29.3) v1(3.74,28.29) v1(3.74,27.28) v1(3.74,26.28) v1(3.74,25.27) v1(3.74,24.26) v1(3.74,23.25) v1(3.74,22.25) v1(3.74,21.24) v1(3.74,20.23) v1(3.74,19.22) v1(3.74,18.22) v1(3.74,17.21) v1(3.74,16.2) v1(3.74,15.2) v1(3.74,14.19) v1(3.74,13.18) v1(3.74,12.17) v1(3.74,11.17) v1(3.99,3.79) v1(4.04,100.76) v1(4.04,99.76) v1(4.04,98.76) v1(4.04,97.76) v1(4.3,86.02) v1(4.5,84.3) v1(4.64,8.46) v1(4.72,4.49) v1(5.04,97.76) v1(5.01,86.74) v1(5.22,85.01) v1(5.37,5.79) v1(5.49,79.04) v1(5.49,78.04) v1(5.49,77.04) v1(5.49,76.04) v1(5.49,75.04) v1(5.49,74.04) v1(5.49,7.59) v1(5.73,87.46) v1(5.7,73.16) v1(5.84,94.76) v1(5.84,93.76) v1(5.84,92.76) v1(5.84,91.76) v1(5.84,90.76) v1(5.84,89.76) v1(5.84,88.76) v1(6.04,97.76) v1(6.17,49.76) v1(6.17,48.76) v1(6.43,72.43) v1(6.97,3.34) v1(7.04,7.86) v1(7.16,71.7) v1(7.18,49.76) v1(7.18,48.76) v1(7.42,14.09) v1(7.42,13.09) v1(7.42,12.09) v1(7.42,11.09) v1(7.57,28.29) v1(7.57,27.29) v1(7.57,26.29) v1(7.57,25.29) v1(7.57,24.29) v1(7.77,20.29) v1(7.77,19.29) v1(7.77,18.29) v1(7.89,89.61) v1(7.89,70.98) v1(8.04,97.76) v1(8.02,41.39) v1(8.02,40.44) v1(8.02,39.44) v1(8.09,85.84) v1(8.09,33.61) v1(8.09,32.61) v1(8.09,31.61) v1(8.22,77.61) v1(8.22,76.61) v1(8.22,75.61) v1(8.22,74.61) v1(8.19,49.76) v1(8.19,48.76) v1(8.29,94.76) v1(8.29,93.76) v1(8.29,92.76) v1(8.29,91.76) v1(8.61,90.33) v1(8.67,84.71) v1(8.62,70.25) v1(8.59,13.09) v1(8.59,12.09) v1(8.59,11.09) v1(8.72,73.81) v1(8.74,27.29) v1(8.74,26.29) v1(8.74,25.29) v1(8.74,24.29) v1(8.93,76.9) v1(8.94,20.29) v1(8.94,19.29) v1(8.94,18.29) v1(9.04,97.76) v1(9.14,87.14) v1(9.12,79.14) v1(9.19,41.39) v1(9.19,40.44) v1(9.19,39.44) v1(9.2,49.76) v1(9.2,48.76) v1(9.27,33.61) v1(9.27,32.61) v1(9.27,31.61) v1(9.35,69.52) v1(9.44,73.1) v1(9.65,76.18) v1(9.77,45.26) v1(10.08,68.79) v1(10.19,97.69) v1(10.09,94.76) v1(10.09,93.76) v1(10.09,92.76) v1(10.09,91.76) v1(10.16,72.38) v1(10.21,49.76) v1(10.21,48.76) v1(10.37,75.46) v1(10.52,88.22) v1(10.57,39.76) v1(10.56,38.71) v1(10.77,45.26) v1(10.89,80.39) v1(10.89,78.99) v1(10.87,71.66) v1(10.8,68.06) v1(11.08,74.75) v1(11.14,76.21) v1(11.25,88.95) v1(11.22,49.76) v1(11.22,48.76) v1(11.24,10.69) v1(11.29,11.74) v1(11.53,67.33) v1(11.57,39.76) v1(11.56,38.71) v1(11.59,70.95) v1(11.78,45.26) v1(11.82,84.6) v1(11.8,74.03) v1(11.8,43.66) v1(11.79,31.79) v1(11.79,25.3) v1(11.79,23.96) v1(11.82,22.89) v1(11.84,18.64) v1(11.87,17.36) v1(11.87,16.19) v1(11.87,13.99) v1(11.96,89.66) v1(11.97,36.76) v1(12.26,66.6) v1(12.23,49.76) v1(12.23,48.76) v1(12.31,70.23) v1(12.29,11.74) v1(12.51,73.32) v1(12.57,39.76) v1(12.57,27.31) v1(12.68,90.38) v1(12.69,77.49) v1(12.69,75.26) v1(12.79,85.59) v1(12.81,43.66) v1(12.79,31.79) v1(12.79,25.3) v1(12.79,23.96) v1(12.82,22.89) v1(12.84,18.64) v1(12.87,17.36) v1(12.87,16.19) v1(12.87,13.99) v1(12.97,36.76) v1(13.02,69.51) v1(12.99,65.87) v1(13.22,72.61) v1(13.24,49.76) v1(13.24,48.76) v1(13.22,10.24) v1(13.29,11.74) v1(13.4,91.1) v1(13.41,74.55) v1(13.57,39.76) v1(13.57,27.31) v1(13.74,68.8) v1(13.72,65.14) v1(13.79,31.79) v1(13.79,25.3) v1(13.82,43.66) v1(13.82,22.89) v1(13.84,18.64) v1(13.87,16.19) v1(13.87,13.99) v1(13.94,71.89) v1(13.97,36.76) v1(14.12,93.81) v1(14.12,92.81) v1(14.12,91.81) v1(14.14,77.44) v1(14.12,73.83) v1(14.29,97.76) v1(14.25,49.76) v1(14.25,48.76) v1(14.35,86.37) v1(14.46,68.08) v1(14.45,64.41) v1(14.57,39.76) v1(14.56,38.71) v1(14.57,27.31) v1(14.64,89.64) v1(14.66,71.17) v1(14.79,31.79) v1(14.79,25.3) v1(14.84,73.11) v1(14.82,45.26) v1(14.83,43.66) v1(14.82,22.89) v1(14.84,18.64) v1(14.87,16.19) v1(14.87,13.99) v1(15.12,94.81) v1(15.12,93.81) v1(15.12,92.81) v1(15.12,91.81) v1(15.12,90.81) v1(15.17,67.36) v1(15.18,63.68) v1(15.29,97.76) v1(15.26,49.76) v1(15.26,48.76) v1(15.22,10.24) v1(15.37,70.46) v1(15.56,72.4) v1(15.57,39.76) v1(15.56,38.71) v1(15.57,27.31) v1(15.79,31.79) v1(15.79,25.3) v1(15.79,23.96) v1(15.83,45.26) v1(15.84,43.66) v1(15.82,22.89) v1(15.84,18.64) v1(15.87,17.36) v1(15.87,16.19) v1(15.87,13.99) v1(15.89,66.65) v1(15.91,62.96) v1(15.97,36.76) v1(16.08,69.72) v1(16.14,62.06) v1(16.14,61.06) v1(16.14,60.06) v1(16.14,59.06) v1(16.14,58.06) v1(16.14,57.06) v1(16.14,56.06) v1(16.14,55.06) v1(16.14,54.06) v1(16.14,53.06) v1(16.14,52.06) v1(16.14,51.06) v1(16.14,48.06) v1(16.14,47.06) v1(16.14,46.06) v1(16.27,71.68) v1(16.27,49.76) v1(16.54,88.66) v1(16.57,27.31) v1(16.64,86.34) v1(16.79,31.79) v1(16.79,23.96) v1(16.72,11.74) v1(16.84,95.06) v1(16.84,94.06) v1(16.84,93.06) v1(16.84,92.06) v1(16.84,91.06) v1(16.8,69.01) v1(16.84,18.64) v1(16.87,17.36) v1(16.87,16.19) v1(16.87,13.99) v1(16.94,90.01) v1(16.97,36.76) v1(17.17,100.09) v1(17.17,99.11) v1(17.32,35.49) v1(17.32,34.49) v1(17.32,33.49) v1(17.32,32.49) v1(17.34,10.24) v1(17.57,27.31) v1(17.57,26.31) v1(17.57,25.31) v1(17.62,60.04) v1(17.62,59.04) v1(17.62,58.04) v1(17.62,57.04) v1(17.62,56.04) v1(17.62,55.04) v1(17.62,54.04) v1(17.62,53.04) v1(17.62,52.04) v1(17.62,51.04) v1(17.62,50.04) v1(17.62,48.04) v1(17.62,47.04) v1(17.62,46.04) v1(17.71,69.71) v1(17.84,20.64) v1(17.84,19.64) v1(17.84,18.64) v1(17.94,84.94) v1(18.04,64.49) v1(18.1,60.77) v1(18.23,67.57) v1(18.29,49.76) v1(18.29,48.76) v1(18.47,70.7) v1(18.76,63.78) v1(18.95,66.86) v1(19.02,68.84) v1(19.07,27.29) v1(19.07,26.29) v1(19.07,25.29) v1(19.29,92.21) v1(19.19,20.64) v1(19.19,19.64) v1(19.19,18.64) v1(19.48,63.06) v1(20.27,93.64) v1(20.29,92.21) v1(20.22,62.41) v1(20.89,75.74) v1(20.89,74.74) v1(20.89,73.74) v1(20.89,72.74) v1(20.89,59.74) v1(20.89,58.74) v1(20.89,57.74) v1(20.89,56.74) v1(20.89,55.74) v1(20.89,54.74) v1(20.89,53.74) v1(20.89,52.74) v1(20.89,51.74) v1(20.89,50.74) v1(20.89,43.74) v1(20.89,34.74) v1(20.89,33.74) v1(20.89,32.74) v1(20.89,31.74) v1(20.89,28.74) v1(20.89,26.74) v1(20.89,25.74) v1(20.89,24.74) v1(20.89,21.74) v1(20.89,20.74) v1(20.89,19.74) v1(20.89,18.74) v1(20.94,100.39) v1(20.94,12.06) v1(21.27,93.64) v1(21.29,92.21) v1(21.79,86.84) v1(21.94,100.39) v1(22.27,93.64) v1(22.29,92.21) v1(22.99,95.24) v1(23.04,86.84) v1(23.29,92.21) v1(23.74,94.49) v1(23.69,80.19) v1(23.88,44.64) v1(23.94,100.39) v1(23.97,98.66) v1(23.94,77.29) v1(23.94,76.09) v1(24.04,78.59) v1(24.07,12.04) v1(24.09,62.4) v1(24.12,59.74) v1(24.12,58.74) v1(24.12,57.74) v1(24.12,56.74) v1(24.12,55.74) v1(24.12,54.74) v1(24.12,53.74) v1(24.12,52.74) v1(24.12,51.74) v1(24.12,50.74) v1(24.12,49.74) v1(24.12,46.74) v1(24.12,42.74) v1(24.17,39.84) v1(24.12,37.74) v1(24.12,34.74) v1(24.12,33.74) v1(24.12,32.74) v1(24.12,31.74) v1(24.12,29.74) v1(24.12,28.74) v1(24.12,26.74) v1(24.12,25.74) v1(24.12,22.74) v1(24.12,21.74) v1(24.12,20.74) v1(24.12,19.74) v1(24.12,18.74) v1(24.29,92.21) v1(24.68,97.95) v1(24.74,94.49) v1(24.87,80.19) v1(24.87,79.19) v1(24.8,64.05) v1(24.94,100.39) v1(25.01,91.5) v1(25.49,98.79) v1(25.64,86.94) v1(25.74,94.49) v1(25.72,90.78) v1(25.84,92.19) v1(25.94,100.39) v1(26.07,80.19) v1(26.12,72.74) v1(26.12,71.74) v1(26.12,70.74) v1(26.12,69.74) v1(26.12,68.74) v1(26.12,67.74) v1(26.12,66.74) v1(26.12,65.74) v1(26.12,59.74) v1(26.12,58.74) v1(26.12,57.74) v1(26.12,56.74) v1(26.12,55.74) v1(26.12,54.74) v1(26.12,53.74) v1(26.12,52.74) v1(26.12,51.74) v1(26.12,50.74) v1(26.12,49.74) v1(26.12,46.74) v1(26.12,45.74) v1(26.12,44.74) v1(26.12,43.74) v1(26.12,42.74) v1(26.12,40.74) v1(26.12,39.74) v1(26.12,37.74) v1(26.12,36.74) v1(26.12,35.74) v1(26.12,34.74) v1(26.12,33.74) v1(26.12,32.74) v1(26.12,29.74) v1(26.12,26.74) v1(26.12,25.74) v1(26.12,23.74) v1(26.12,22.74) v1(26.12,20.74) v1(26.12,19.74) v1(26.12,18.74) v1(26.12,16.31) v1(26.12,13.84) v1(26.21,98.07) v1(26.38,78.28) v1(26.43,90.05) v1(26.67,31.86) v1(26.84,95.81) v1(26.84,92.19) v1(26.94,100.39) v1(26.93,74.11) v1(27.15,89.33) v1(27.14,79.09) v1(27.12,59.74) v1(27.12,45.74) v1(27.12,44.74) v1(27.12,43.74) v1(27.12,42.74) v1(27.12,29.74) v1(27.12,25.74) v1(27.12,23.74) v1(27.12,22.74) v1(27.12,20.74) v1(27.12,18.74) v1(27.12,16.31) v1(27.12,13.84) v1(27.37,49.76) v1(27.34,37.79) v1(27.37,36.74) v1(27.44,47.44) v1(27.64,83.79) v1(27.64,82.84) v1(27.65,74.82) v1(27.67,31.86) v1(27.74,97.98) v1(27.69,69.16) v1(27.84,92.19) v1(27.88,88.62) v1(27.94,96.24) v1(28.04,94.59) v1(28.12,59.74) v1(28.12,45.74) v1(28.12,44.74) v1(28.12,42.74) v1(28.12,29.74) v1(28.12,25.74) v1(28.12,23.74) v1(28.12,22.74) v1(28.12,20.74) v1(28.12,18.74) v1(28.12,16.31) v1(28.12,13.84) v1(28.24,86.89) v1(28.37,75.54) v1(28.38,49.76) v1(28.34,37.79) v1(28.37,36.74) v1(28.41,68.45) v1(28.45,47.44) v1(28.54,39.79) v1(28.6,87.91) v1(28.62,70.06) v1(28.67,31.86) v1(28.6,15.02) v1(28.84,99.29) v1(28.96,64.89) v1(28.94,62.41) v1(29.08,76.26) v1(29.09,105.49) v1(29.12,103.06) v1(29.09,86.84) v1(29.12,67.73) v1(29.12,59.74) v1(29.12,45.74) v1(29.12,44.74) v1(29.12,42.74) v1(29.12,29.74) v1(29.12,25.74) v1(29.12,23.74) v1(29.12,22.74) v1(29.12,20.74) v1(29.12,18.74) v1(29.12,16.31) v1(29.22,107.41) v1(29.24,84.24) v1(29.24,82.76) v1(29.24,81.09) v1(29.33,69.35) v1(29.34,37.79) v1(29.37,36.74) v1(29.39,49.76) v1(29.46,47.44) v1(29.54,39.79) v1(29.68,64.17) v1(29.67,31.86) v1(29.82,76.96) v1(29.85,67.01) v1(30.05,68.63) v1(30.13,71.13) v1(30.12,59.74) v1(30.12,45.74) v1(30.12,44.74) v1(30.12,42.74) v1(30.12,29.74) v1(30.12,25.74) v1(30.12,23.74) v1(30.12,22.74) v1(30.12,20.74) v1(30.12,18.74) v1(30.12,16.31) v1(30.34,37.79) v1(30.37,36.74) v1(30.4,63.46) v1(30.4,49.76) v1(30.47,47.44) v1(30.54,39.79) v1(30.67,31.86) v1(30.77,67.91) v1(30.85,71.85) v1(31.17,84.14) v1(31.17,83.14) v1(31.17,82.14) v1(31.17,81.14) v1(31.17,80.14) v1(31.17,79.14) v1(31.12,62.73) v1(31.12,59.74) v1(31.12,45.74) v1(31.12,29.74) v1(31.12,25.74) v1(31.12,23.74) v1(31.12,22.74) v1(31.12,20.74) v1(31.12,18.74) v1(31.12,16.31) v1(31.34,37.79) v1(31.37,36.74) v1(31.48,47.44) v1(31.56,72.56) v1(31.5,49.85) v1(31.54,39.79) v1(31.67,31.86) v1(32.17,84.14) v1(32.12,45.74) v1(32.12,18.74) v1(32.12,16.31) v1(32.24,87.97) v1(32.27,73.27) v1(32.22,50.57) v1(32.34,37.79) v1(32.37,36.74) v1(32.47,92.26) v1(32.54,39.79) v1(32.67,31.86) v1(32.99,73.99) v1(32.92,51.27) v1(33.08,62.55) v1(33.17,84.14) v1(33.12,45.74) v1(33.12,42.74) v1(33.12,18.74) v1(33.38,72.06) v1(33.54,39.79) v1(33.66,59.67) v1(33.66,51.98) v1(33.67,31.86) v1(33.71,74.71) v1(34.17,84.14) v1(34.12,45.74) v1(34.37,58.96) v1(34.37,52.7) v1(34.42,75.42) v1(34.77,47.34) v1(34.8,92.96) v1(34.88,86.39) v1(34.81,73.48) v1(35.09,58.24) v1(35.17,84.14) v1(35.16,76.13) v1(35.09,53.42) v1(35.18,50.15) v1(35.12,45.74) v1(35.12,44.74) v1(35.57,86.49) v1(35.52,74.2) v1(35.56,62.32) v1(35.67,31.86) v1(35.77,47.34) v1(35.87,76.85) v1(35.81,57.52) v1(35.8,54.12) v1(35.9,50.87) v1(36.17,84.14) v1(36.12,45.74) v1(36.12,44.74) v1(36.24,74.91) v1(36.27,61.61) v1(36.39,67.46) v1(36.42,35.89) v1(36.42,34.89) v1(36.42,33.89) v1(36.42,32.89) v1(36.58,77.56) v1(36.52,56.81) v1(36.52,54.83) v1(36.62,51.59) v1(36.77,47.34) v1(36.99,60.89) v1(37.17,84.14) v1(37.12,45.74) v1(37.24,56.09) v1(37.38,91.75) v1(37.3,78.27) v1(37.32,52.29) v1(37.39,23.49) v1(37.39,22.49) v1(37.39,20.49) v1(37.39,19.49) v1(37.52,75.16) v1(37.52,74.16) v1(37.52,73.16) v1(37.52,72.16) v1(37.52,71.16) v1(37.62,34.89) v1(37.62,33.89) v1(37.62,32.89) v1(37.79,105.96) v1(37.79,101.39) v1(37.77,67.21) v1(37.71,60.17) v1(38.01,78.99) v1(38.04,53.01) v1(38.17,84.14) v1(38.12,45.74) v1(38.29,95.77) v1(38.42,59.46) v1(38.59,101.39) v1(38.73,79.71) v1(38.72,23.46) v1(38.72,22.46) v1(38.72,20.46) v1(38.72,19.46) v1(39.07,53.97) v1(39.03,52.93) v1(39.07,44.61) v1(39.17,84.14) v1(39.17,76.14) v1(39.17,75.14) v1(39.17,74.14) v1(39.17,73.14) v1(39.17,72.14) v1(39.17,71.14) v1(39.17,70.14) v1(39.14,58.74) v1(39.14,41.71) v1(39.14,40.71) v1(39.14,39.71) v1(39.17,37.86) v1(39.17,36.86) v1(39.17,35.86) v1(39.17,34.86) v1(39.17,33.86) v1(39.17,32.86) v1(39.12,27.24) v1(39.12,26.24) v1(39.12,25.24) v1(39.45,80.42) v1(39.72,53.56) v1(40.17,84.14) v1(40.17,83.14) v1(40.17,82.14) v1(40.17,81.14) v1(40.17,78.14) v1(40.17,77.14) v1(40.17,76.14) v1(40.17,75.14) v1(40.17,74.14) v1(40.17,73.14) v1(40.17,72.14) v1(40.17,71.14) v1(40.17,70.14) v1(40.17,69.14) v1(40.17,68.14) v1(40.17,67.14) v1(40.17,66.14) v1(40.17,65.14) v1(40.17,64.14) v1(40.17,63.14) v1(40.17,62.14) v1(40.17,61.14) v1(40.17,60.14) v1(40.17,59.14) v1(40.65,50.51) v1(40.94,106.21) v1(40.97,92.69) v1(40.9,43.23) v1(40.9,42.23) v1(40.9,41.23) v1(40.9,40.23) v1(40.9,39.23) v1(40.9,38.23) v1(40.9,37.23) v1(40.9,35.23) v1(40.9,34.23) v1(40.9,33.23) v1(40.9,32.23) v1(40.9,31.23) v1(40.9,30.23) v1(40.9,28.23) v1(40.9,27.23) v1(40.9,26.23) v1(40.9,25.23) v1(40.9,24.23) v1(40.9,23.23) v1(40.9,22.23) v1(40.9,20.23) v1(40.9,19.23) v1(40.9,18.23) v1(40.9,17.23) v1(41.28,52.01) v1(41.42,56.66) v1(41.79,104.59) v1(41.79,102.99) v1(43.67,70.24) v1(43.67,69.24) v1(43.67,68.24) v1(43.67,67.24) v1(43.67,66.24) v1(43.67,65.24) v1(43.67,64.24) v1(43.67,63.24) v1(43.67,62.24) v1(43.67,61.24) v1(43.67,60.24) v1(43.67,59.24) v1(43.67,58.24) v1(43.67,57.24) v1(43.67,56.24) v1(43.67,55.24) v1(43.67,54.24) v1(43.67,53.24) v1(43.67,52.24) v1(43.67,51.24) v1(43.67,50.24) v1(43.67,49.24) v1(43.67,48.24) v1(43.67,47.24) v1(43.67,46.24) v1(43.67,45.24) v1(43.67,44.24) v1(43.67,43.24) v1(43.67,42.24) v1(43.67,41.24) v1(43.67,40.24) v1(43.67,39.24) v1(43.67,38.24) v1(43.67,37.24) v1(43.67,36.24) v1(43.67,35.24) v1(43.67,34.24) v1(43.67,33.24) v1(43.67,32.24) v1(43.67,31.24) v1(43.67,30.24) v1(43.67,29.24) v1(43.67,28.24) v1(43.67,27.24) v1(43.67,26.24) v1(43.67,25.24) v1(43.67,24.24) v1(43.67,23.24) v1(43.67,22.24) v1(43.67,21.24) v1(43.67,20.24) v1(43.67,19.24) v1(43.67,18.24) v1(43.67,17.24) v1(43.67,16.24) v1(43.67,15.24) v1(43.99,106.91) v1(43.99,105.91) v1(43.99,104.91) v1(43.99,103.91) v1(43.99,102.91) v1(43.99,101.91) v1(43.99,100.91) v1(43.99,99.91) v1(43.99,98.91) v1(43.99,97.91) v1(43.99,96.91) v1(43.99,95.91)
